# Altium PCB Quad-Stage-Prototype_V1.0.PcbDoc (part 1 of 3)
Units mm, origin at the board's own origin, x right, y up, seen from the top; angles counter-clockwise.
Board outline 267.25 x 88.5 mm, 2 copper layers (Top Layer, Bottom Layer), stack 1.548 mm thick; 272 components, 212 nets, 959 pads, 903 vias.
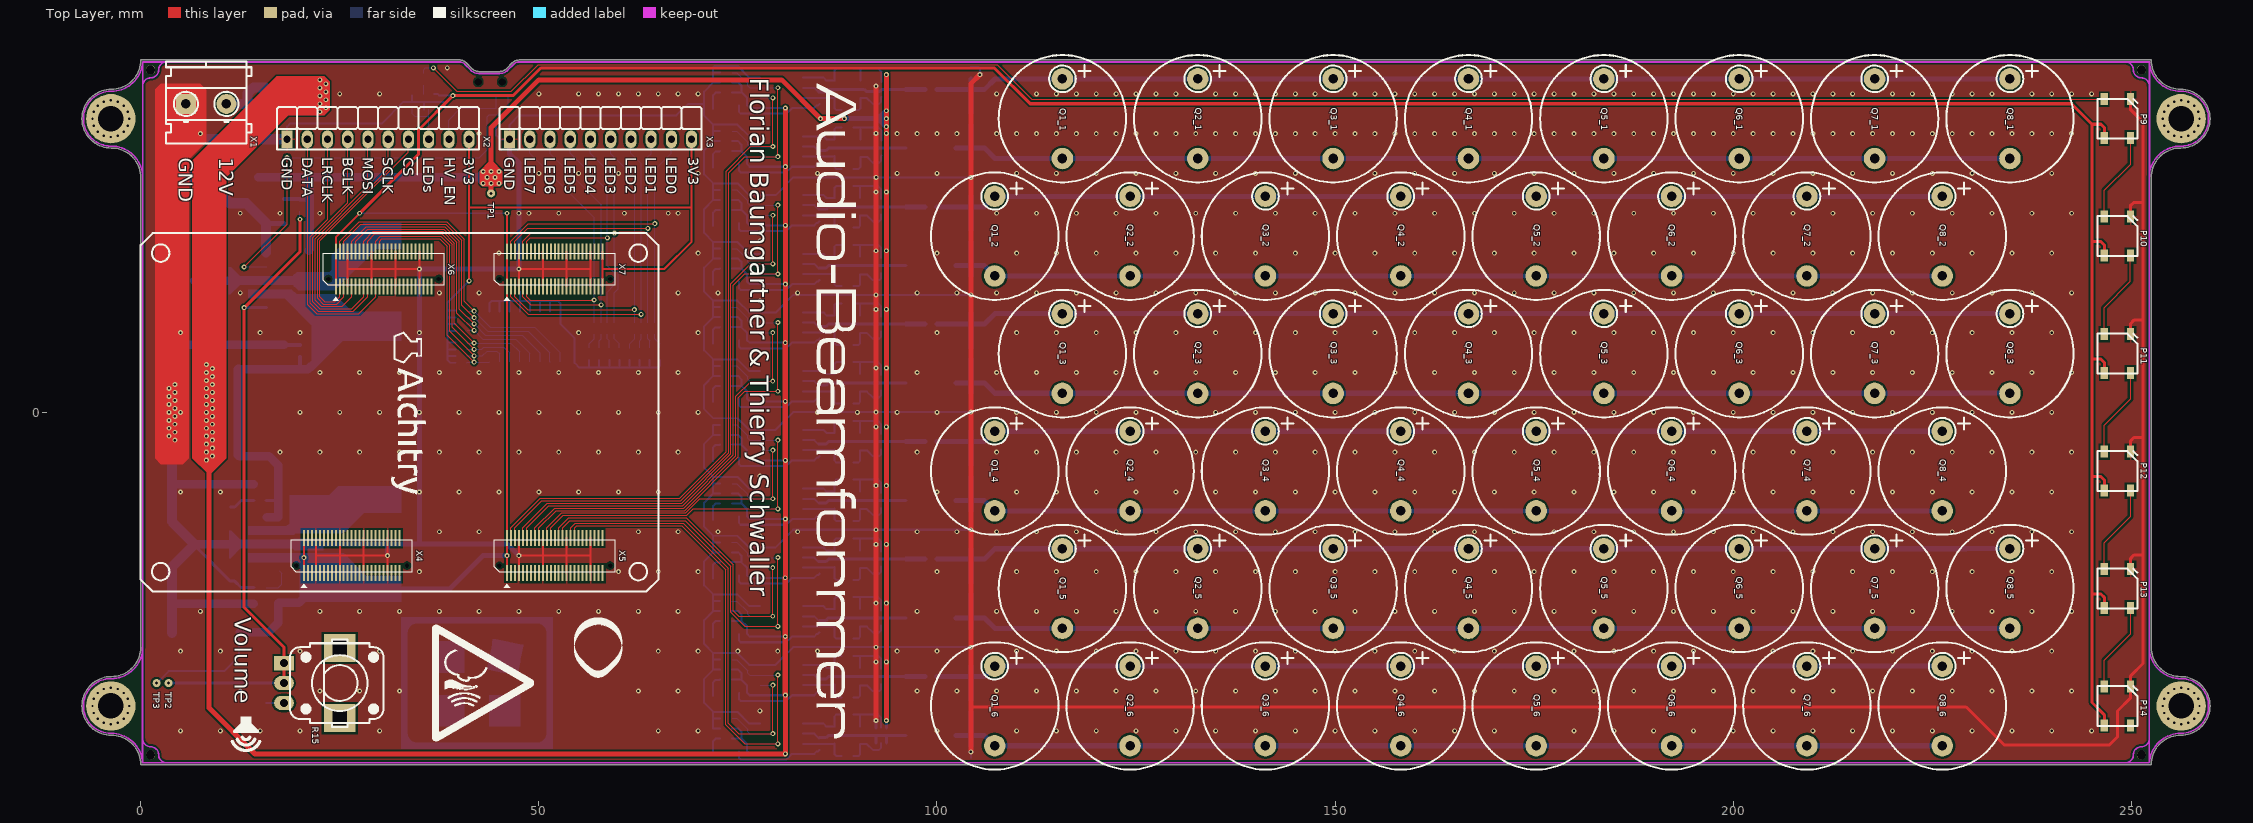
[diagram p0: Top Layer view]
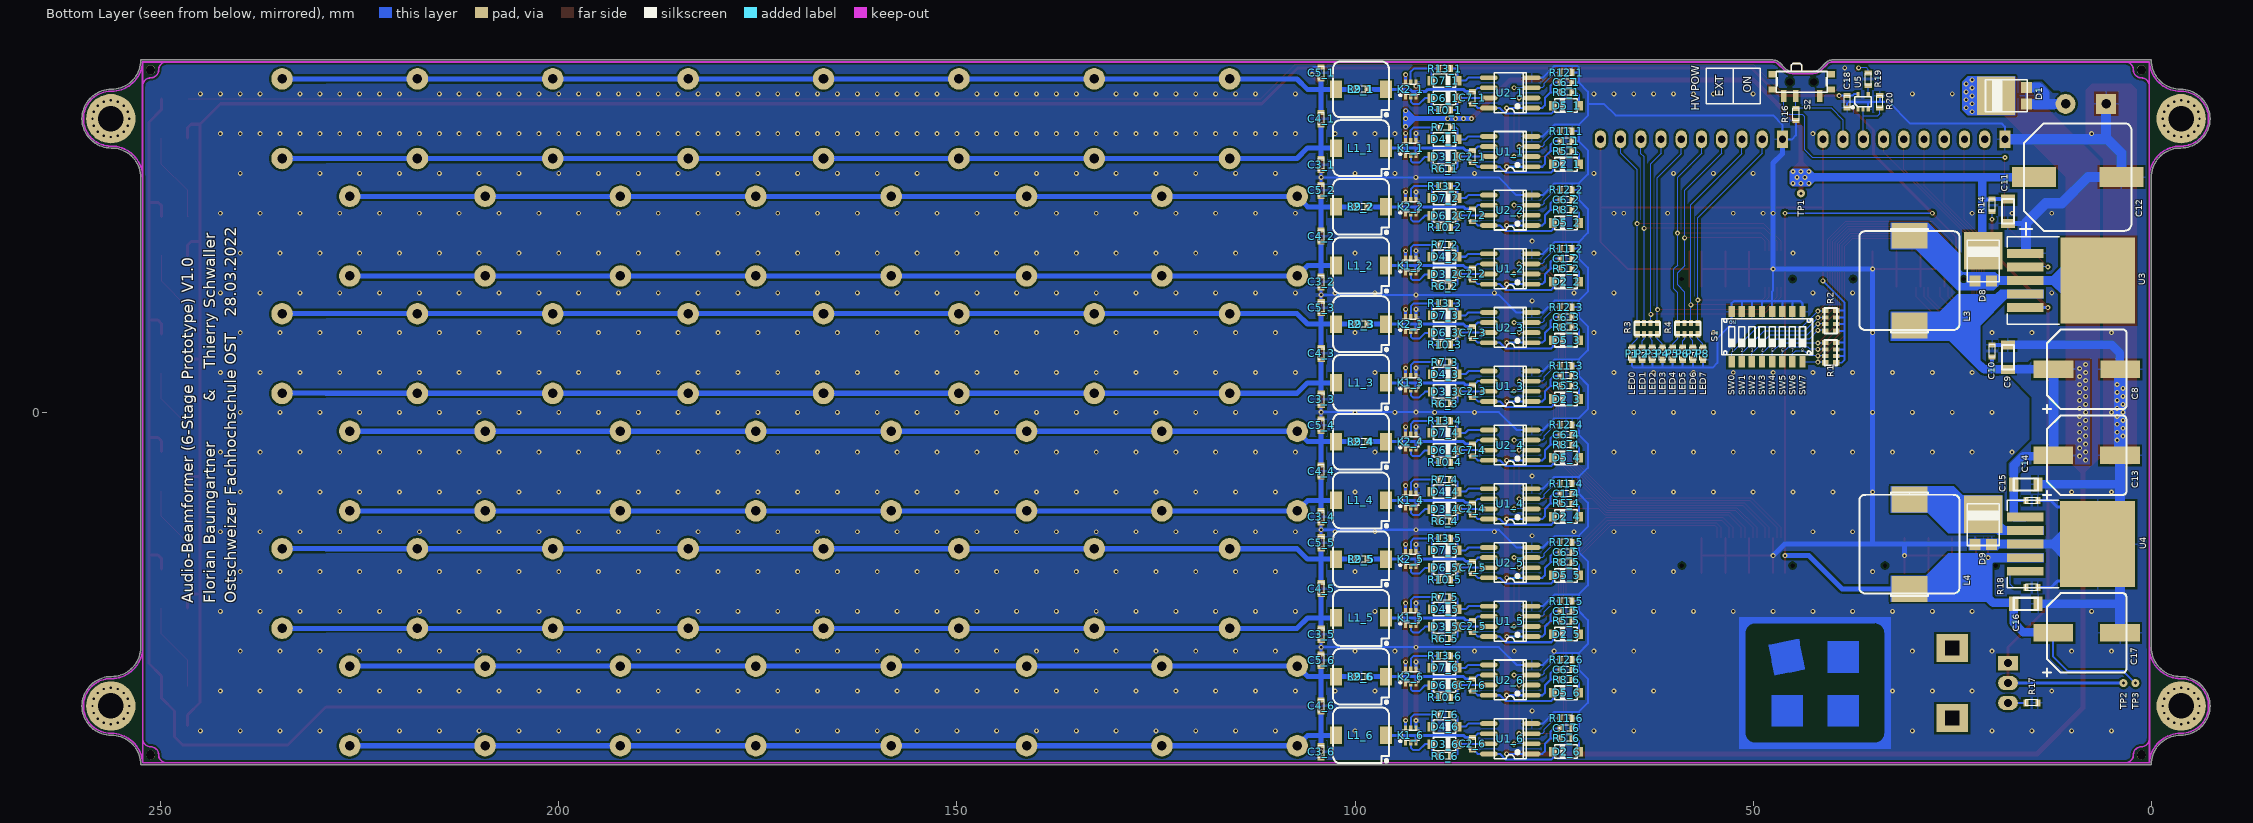
[diagram p1: Bottom Layer view, seen from below]

## Layer stack, top to bottom
Top Solder: solder mask 0.0102, Solder Resist, Dk 3.5
Top Layer: signal copper 0.0356
Dielectric1: dielectric 1.4766, FR-4, Dk 4.8
Bottom Layer: signal copper 0.0356
Bottom Solder: solder mask 0.0102, Solder Resist, Dk 3.5

## Board outline
-3.688,-40.563 cw(c-3.688,-36.875) -7.375,-36.875 cw(c-3.688,-36.875) -3.688,-33.187 ccw(c-3.687,-29.5) 0,-29.5 0,29.5 ccw(c-3.688,29.5) -3.688,33.187 cw(c-3.688,36.875) -7.375,36.875 cw(c-3.688,36.875) -3.688,40.562 ccw(c-3.687,44.25) 0,44.25 40.025,44.25 cw(c40.025,43.043) 40.879,43.896 41.621,43.154 ccw(c42.475,44.007) 42.475,42.8 45.075,42.8 ccw(c45.075,44.007) 45.929,43.154 46.671,43.896 cw(c47.525,43.043) 47.525,44.25 252.5,44.25 ccw(c256.187,44.25) 256.188,40.562 cw(c256.188,36.875) 259.875,36.875 cw(c256.188,36.875) 256.188,33.187 ccw(c256.187,29.5) 252.5,29.5 252.5,-29.5 ccw(c256.187,-29.5) 256.188,-33.187 cw(c256.188,-36.875) 259.875,-36.875 cw(c256.188,-36.875) 256.188,-40.562 ccw(c256.187,-44.25) 252.5,-44.25 0,-44.25 ccw(c-3.687,-44.25)

## Design rules (kind name [scope] priority, off if disabled: settings)
Clearance Ploygon [InPoly] p1: gap=0.254 ignorepadtopadclearanceinfootprint=FALSE
Clearance [All] p2: gap=0.152 ignorepadtopadclearanceinfootprint=FALSE
ComponentClearance ComponentClearance_Connectors [HasFootprint('SMD Inductor 7x7x4.5 NP')] p1: gap=0 collisioncheckmode=3 verticalgap=0 showdistances=FALSE
ComponentClearance ComponentClearance_Mechanical [(Identifier = 'M3 x 0.5mm Thread 6mm LONG SOCKET HEAD CAP SCREW') OR (Identifier = 'Hex Spacer FF M3 L10mm')] p2: gap=0 collisioncheckmode=3 verticalgap=0 showdistances=FALSE
ComponentClearance [All] p3: gap=0.2 collisioncheckmode=3 verticalgap=0.2 showdistances=TRUE
DiffPairsRouting [All] p1: maxlimit=0.254 minlimit=0.152 mostfreqgap=0.152 toplayer_minwidth=0.152 toplayer_maxwidth=0.381 toplayer_prefwidth=0.152 bottomlayer_minwidth=0.152 bottomlayer_maxwidth=0.381 bottomlayer_prefwidth=0.152 maxuncoupledlength=12.7
FabricationTestPointUsage TestPointUsage [All] p1: valid=0 allowmultiple=FALSE
FabricationTestpoint Testpoint [All] p1: side=3 testpointundercomponent=TRUE minsize=1.016 maxsize=2.54 preferedsize=1.524 minholesize=0 maxholesize=1.016 preferedholesize=0.813 testpointgrid=0.025 allowsidetop=TRUE allowsidebottom=TRUE usegrid=TRUE gridtolerance=0
HoleSize [All] p1: absolutevalues=TRUE maxlimit=25.4 minlimit=0.025 maxpercent=80.000 minpercent=20.000
PolygonConnect [All] p1: thpad.connectstyle=Relief thpad.reliefconductorwidth=0.254 thpad.reliefentries=4 thpad.polygonreliefangle="90 Angle" thpad.airgapwidth=0.254 smdpad.connectstyle=Relief smdpad.reliefconductorwidth=0.254 smdpad.reliefentries=4 smdpad.polygonreliefangle="90 Angle" smdpad.airgapwidth=0.254 via.connectstyle=Direct via.reliefconductorwidth=0.254 via.reliefentries=4 via.polygonreliefangle="90 Angle" via.airgapwidth=0.254
RoomDefinition Row-Driver1 [InComponentClass('Row-Driver1')] p1: confinementstyle=ConfineIn formatcopy=TRUE lockcomponents=FALSE outline 70.503,28.37 243.75,28.37 243.75,45.37 70.503,45.37
RoomDefinition Row-Driver4 [InComponentClass('Row-Driver4')] p2: confinementstyle=ConfineIn formatcopy=TRUE lockcomponents=FALSE outline 70.5,-15.875 243.75,-15.875 243.75,1.125 70.5,1.125
RoomDefinition Row-Driver5 [InComponentClass('Row-Driver5')] p3: confinementstyle=ConfineIn formatcopy=TRUE lockcomponents=FALSE outline 70.496,-30.63 243.75,-30.63 243.75,-13.63 70.496,-13.63
RoomDefinition Row-Driver6 [InComponentClass('Row-Driver6')] p4: confinementstyle=ConfineIn formatcopy=TRUE lockcomponents=FALSE outline 70.5,-45.375 243.75,-45.375 243.75,-28.375 70.5,-28.375
RoomDefinition Row-Driver3 [InComponentClass('Row-Driver3')] p5: confinementstyle=ConfineIn formatcopy=TRUE lockcomponents=FALSE outline 70.496,-1.105 243.75,-1.105 243.75,15.895 70.496,15.895
RoomDefinition Row-Driver2 [InComponentClass('Row-Driver2')] p6: confinementstyle=ConfineIn formatcopy=TRUE lockcomponents=FALSE outline 70.5,13.625 243.75,13.625 243.75,30.625 70.5,30.625
RoutingVias [All] p1: holewidth=0.711 width=1.27 viastyle="Through Hole" minholewidth=0.711 minwidth=1.27 maxholewidth=0.711 maxwidth=1.27
SolderMaskExpansion [All] p1: expansion=0.102 istentingtop=FALSE
Width [All] p1: maxlimit=500 minlimit=0.152 preferedwidth=0.254
25 further rules are at their usual default settings.

## Classes and differential pairs
component class Row-Driver6: C1_6 C2_6 C3_6 C4_6 C5_6 C6_6 C7_6 D2_6 D3_6 D4_6 D5_6 D6_6 D7_6 K1_6 K2_6 L1_6 L2_6 Q1_6 Q2_6 Q3_6 Q4_6 Q5_6 Q6_6 Q7_6 Q8_6 R5_6 R6_6 R7_6 R8_6 R9_6 R10_6 R11_6 R12_6 R13_6 U1_6 U2_6
component class Row-Driver5: C1_5 C2_5 C3_5 C4_5 C5_5 C6_5 C7_5 D2_5 D3_5 D4_5 D5_5 D6_5 D7_5 K1_5 K2_5 L1_5 L2_5 Q1_5 Q2_5 Q3_5 Q4_5 Q5_5 Q6_5 Q7_5 Q8_5 R5_5 R6_5 R7_5 R8_5 R9_5 R10_5 R11_5 R12_5 R13_5 U1_5 U2_5
channel class Quad-Stage-Prototype_Driver_V1.0: Row-Driver1 Row-Driver2 Row-Driver3 Row-Driver4 Row-Driver5 Row-Driver6
net class SW[7..0]: SW0 SW1 SW2 SW3 SW4 SW5 SW6 SW7
net class LI[6..1]: LI1 LI2 LI3 LI4 LI5 LI6
net class HI[6..1]: HI1 HI2 HI3 HI4 HI5 HI6
net class FPGA_LED[7..0]: FPGA_LED0 FPGA_LED1 FPGA_LED2 FPGA_LED3 FPGA_LED4 FPGA_LED5 FPGA_LED6 FPGA_LED7
component class Row-Driver4: C1_4 C2_4 C3_4 C4_4 C5_4 C6_4 C7_4 D2_4 D3_4 D4_4 D5_4 D6_4 D7_4 K1_4 K2_4 L1_4 L2_4 Q1_4 Q2_4 Q3_4 Q4_4 Q5_4 Q6_4 Q7_4 Q8_4 R5_4 R6_4 R7_4 R8_4 R9_4 R10_4 R11_4 R12_4 R13_4 U1_4 U2_4
component class Row-Driver3: C1_3 C2_3 C3_3 C4_3 C5_3 C6_3 C7_3 D2_3 D3_3 D4_3 D5_3 D6_3 D7_3 K1_3 K2_3 L1_3 L2_3 Q1_3 Q2_3 Q3_3 Q4_3 Q5_3 Q6_3 Q7_3 Q8_3 R5_3 R6_3 R7_3 R8_3 R9_3 R10_3 R11_3 R12_3 R13_3 U1_3 U2_3
component class Row-Driver2: C1_2 C2_2 C3_2 C4_2 C5_2 C6_2 C7_2 D2_2 D3_2 D4_2 D5_2 D6_2 D7_2 K1_2 K2_2 L1_2 L2_2 Q1_2 Q2_2 Q3_2 Q4_2 Q5_2 Q6_2 Q7_2 Q8_2 R5_2 R6_2 R7_2 R8_2 R9_2 R10_2 R11_2 R12_2 R13_2 U1_2 U2_2
component class Row-Driver1: C1_1 C2_1 C3_1 C4_1 C5_1 C6_1 C7_1 D2_1 D3_1 D4_1 D5_1 D6_1 D7_1 K1_1 K2_1 L1_1 L2_1 Q1_1 Q2_1 Q3_1 Q4_1 Q5_1 Q6_1 Q7_1 Q8_1 R5_1 R6_1 R7_1 R8_1 R9_1 R10_1 R11_1 R12_1 R13_1 U1_1 U2_1
component class Quad-Stage-Prototype_V1.0: D1 P1 P2 P3 P4 P5 P6 P7 P8 R1 R2 R3 R4 S1 X1 X2 X3
component class "Power Supply": C8 C9 C10 C11 C12 C13 C14 C15 C16 C17 D8 D9 L3 L4 R14 R15 R16 R17 R18 S2 TP1 TP2 TP3 U3 U4
component class LEDs: C18 P9 P10 P11 P12 P13 P14 R19 R20 U5
component class FPGA: X4 X5 X6 X7

## Components (designator, comment, footprint, x,y, rotation, side; value= is the part's Value field where it differs from the comment)
C1_1 "1µF" "SMD Keramikkondensator 0603" 73.503,34.046 r0 bottom (schematic designator C1)
C1_2 "1µF" "SMD Keramikkondensator 0603" 73.5,19.301 r0 bottom (schematic designator C1)
C1_3 "1µF" "SMD Keramikkondensator 0603" 73.496,4.571 r0 bottom (schematic designator C1)
C1_4 "1µF" "SMD Keramikkondensator 0603" 73.5,-10.199 r0 bottom (schematic designator C1)
C1_5 "1µF" "SMD Keramikkondensator 0603" 73.496,-24.954 r0 bottom (schematic designator C1)
C1_6 "1µF" "SMD Keramikkondensator 0603" 73.5,-39.699 r0 bottom (schematic designator C1)
C2_1 "100nF" "SMD Keramikkondensator 0603" 85.253,32.121 r270 bottom (schematic designator C2)
C2_2 "100nF" "SMD Keramikkondensator 0603" 85.25,17.376 r270 bottom (schematic designator C2)
C2_3 "100nF" "SMD Keramikkondensator 0603" 85.246,2.646 r270 bottom (schematic designator C2)
C2_4 "100nF" "SMD Keramikkondensator 0603" 85.25,-12.124 r270 bottom (schematic designator C2)
C2_5 "100nF" "SMD Keramikkondensator 0603" 85.246,-26.879 r270 bottom (schematic designator C2)
C2_6 "100nF" "SMD Keramikkondensator 0603" 85.25,-41.624 r270 bottom (schematic designator C2)
C3_1 "NP" "SMD Keramikkondensator 0603" 104.253,31.12 r270 bottom (schematic designator C3)
C3_2 "NP" "SMD Keramikkondensator 0603" 104.25,16.375 r270 bottom (schematic designator C3)
C3_3 "NP" "SMD Keramikkondensator 0603" 104.246,1.645 r270 bottom (schematic designator C3)
C3_4 "NP" "SMD Keramikkondensator 0603" 104.25,-13.125 r270 bottom (schematic designator C3)
C3_5 "NP" "SMD Keramikkondensator 0603" 104.246,-27.88 r270 bottom (schematic designator C3)
C3_6 "NP" "SMD Keramikkondensator 0603" 104.25,-42.625 r270 bottom (schematic designator C3)
C4_1 "NP" "SMD Keramikkondensator 0603" 104.253,36.87 r270 bottom (schematic designator C4)
C4_2 "NP" "SMD Keramikkondensator 0603" 104.25,22.125 r270 bottom (schematic designator C4)
C4_3 "NP" "SMD Keramikkondensator 0603" 104.246,7.395 r270 bottom (schematic designator C4)
C4_4 "NP" "SMD Keramikkondensator 0603" 104.25,-7.375 r270 bottom (schematic designator C4)
C4_5 "NP" "SMD Keramikkondensator 0603" 104.246,-22.13 r270 bottom (schematic designator C4)
C4_6 "NP" "SMD Keramikkondensator 0603" 104.25,-36.875 r270 bottom (schematic designator C4)
C5_1 "NP" "SMD Keramikkondensator 0603" 104.253,42.62 r90 bottom (schematic designator C5)
C5_2 "NP" "SMD Keramikkondensator 0603" 104.25,27.875 r90 bottom (schematic designator C5)
C5_3 "NP" "SMD Keramikkondensator 0603" 104.246,13.145 r90 bottom (schematic designator C5)
C5_4 "NP" "SMD Keramikkondensator 0603" 104.25,-1.625 r90 bottom (schematic designator C5)
C5_5 "NP" "SMD Keramikkondensator 0603" 104.246,-16.38 r90 bottom (schematic designator C5)
C5_6 "NP" "SMD Keramikkondensator 0603" 104.25,-31.125 r90 bottom (schematic designator C5)
C6_1 "1µF" "SMD Keramikkondensator 0603" 73.503,41.424 r0 bottom (schematic designator C6)
C6_2 "1µF" "SMD Keramikkondensator 0603" 73.5,26.679 r0 bottom (schematic designator C6)
C6_3 "1µF" "SMD Keramikkondensator 0603" 73.496,11.949 r0 bottom (schematic designator C6)
C6_4 "1µF" "SMD Keramikkondensator 0603" 73.5,-2.821 r0 bottom (schematic designator C6)
C6_5 "1µF" "SMD Keramikkondensator 0603" 73.496,-17.576 r0 bottom (schematic designator C6)
C6_6 "1µF" "SMD Keramikkondensator 0603" 73.5,-32.321 r0 bottom (schematic designator C6)
C7_1 "100nF" "SMD Keramikkondensator 0603" 85.253,39.495 r270 bottom (schematic designator C7)
C7_2 "100nF" "SMD Keramikkondensator 0603" 85.25,24.75 r270 bottom (schematic designator C7)
C7_3 "100nF" "SMD Keramikkondensator 0603" 85.246,10.02 r270 bottom (schematic designator C7)
C7_4 "100nF" "SMD Keramikkondensator 0603" 85.25,-4.75 r270 bottom (schematic designator C7)
C7_5 "100nF" "SMD Keramikkondensator 0603" 85.246,-19.505 r270 bottom (schematic designator C7)
C7_6 "100nF" "SMD Keramikkondensator 0603" 85.25,-34.25 r270 bottom (schematic designator C7)
C8 "470µF" "SMD ELKO 10.0X10.0" 8.1,5.4 r180 bottom
C9 "10µF" "SMD Keramikkondensator 1206" 18,6.925 r270 bottom
C10 "1µF" "SMD Keramikkondensator 0603" 20,7.7 r270 bottom
C11 "1µF" "SMD Keramikkondensator 1206" 18,25.25 r90 bottom
C12 "220µF" "SMD ELKO 12.5X13.5" 9.25,29.55 r180 bottom
C13 "470µF" "SMD ELKO 10.0X10.0" 8.125,-5.4 r180 bottom
C14 "10µF" "SMD Keramikkondensator 1206" 15.75,-9.05 r0 bottom
C15 "1µF" "SMD Keramikkondensator 0603" 15,-11.1 r0 bottom
C16 "10µF" "SMD Keramikkondensator 1206" 15.75,-24.05 r0 bottom
C17 "470µF" "SMD ELKO 10.0X10.0" 8.125,-27.7 r180 bottom
C18 "1µF" "SMD Keramikkondensator 0603" 38.2,39 r90 bottom
D1 "SP1060L" "SMD DIODE TO-277" 19.5,39.75 r0 bottom
D2_1 "1N4148" "SMD Diode SOD-123" 73.503,31.146 r180 bottom (schematic designator D2)
D2_2 "1N4148" "SMD Diode SOD-123" 73.5,16.401 r180 bottom (schematic designator D2)
D2_3 "1N4148" "SMD Diode SOD-123" 73.496,1.671 r180 bottom (schematic designator D2)
D2_4 "1N4148" "SMD Diode SOD-123" 73.5,-13.099 r180 bottom (schematic designator D2)
D2_5 "1N4148" "SMD Diode SOD-123" 73.496,-27.854 r180 bottom (schematic designator D2)
D2_6 "1N4148" "SMD Diode SOD-123" 73.5,-42.599 r180 bottom (schematic designator D2)
D3_1 "1N4148" "SMD Diode SOD-123" 88.753,32.083 r0 bottom (schematic designator D3)
D3_2 "1N4148" "SMD Diode SOD-123" 88.75,17.338 r0 bottom (schematic designator D3)
D3_3 "1N4148" "SMD Diode SOD-123" 88.746,2.608 r0 bottom (schematic designator D3)
D3_4 "1N4148" "SMD Diode SOD-123" 88.75,-12.162 r0 bottom (schematic designator D3)
D3_5 "1N4148" "SMD Diode SOD-123" 88.746,-26.917 r0 bottom (schematic designator D3)
D3_6 "1N4148" "SMD Diode SOD-123" 88.75,-41.662 r0 bottom (schematic designator D3)
D4_1 "1N4148" "SMD Diode SOD-123" 88.753,34.283 r0 bottom (schematic designator D4)
D4_2 "1N4148" "SMD Diode SOD-123" 88.75,19.537 r0 bottom (schematic designator D4)
D4_3 "1N4148" "SMD Diode SOD-123" 88.746,4.808 r0 bottom (schematic designator D4)
D4_4 "1N4148" "SMD Diode SOD-123" 88.75,-9.962 r0 bottom (schematic designator D4)
D4_5 "1N4148" "SMD Diode SOD-123" 88.746,-24.717 r0 bottom (schematic designator D4)
D4_6 "1N4148" "SMD Diode SOD-123" 88.75,-39.462 r0 bottom (schematic designator D4)
D5_1 "1N4148" "SMD Diode SOD-123" 73.503,38.524 r180 bottom (schematic designator D5)
D5_2 "1N4148" "SMD Diode SOD-123" 73.5,23.779 r180 bottom (schematic designator D5)
D5_3 "1N4148" "SMD Diode SOD-123" 73.496,9.049 r180 bottom (schematic designator D5)
D5_4 "1N4148" "SMD Diode SOD-123" 73.5,-5.721 r180 bottom (schematic designator D5)
D5_5 "1N4148" "SMD Diode SOD-123" 73.496,-20.476 r180 bottom (schematic designator D5)
D5_6 "1N4148" "SMD Diode SOD-123" 73.5,-35.221 r180 bottom (schematic designator D5)
D6_1 "1N4148" "SMD Diode SOD-123" 88.753,39.458 r0 bottom (schematic designator D6)
D6_2 "1N4148" "SMD Diode SOD-123" 88.75,24.712 r0 bottom (schematic designator D6)
D6_3 "1N4148" "SMD Diode SOD-123" 88.746,9.982 r0 bottom (schematic designator D6)
D6_4 "1N4148" "SMD Diode SOD-123" 88.75,-4.788 r0 bottom (schematic designator D6)
D6_5 "1N4148" "SMD Diode SOD-123" 88.746,-19.543 r0 bottom (schematic designator D6)
D6_6 "1N4148" "SMD Diode SOD-123" 88.75,-34.288 r0 bottom (schematic designator D6)
D7_1 "1N4148" "SMD Diode SOD-123" 88.753,41.658 r0 bottom (schematic designator D7)
D7_2 "1N4148" "SMD Diode SOD-123" 88.75,26.912 r0 bottom (schematic designator D7)
D7_3 "1N4148" "SMD Diode SOD-123" 88.746,12.183 r0 bottom (schematic designator D7)
D7_4 "1N4148" "SMD Diode SOD-123" 88.75,-2.588 r0 bottom (schematic designator D7)
D7_5 "1N4148" "SMD Diode SOD-123" 88.746,-17.343 r0 bottom (schematic designator D7)
D7_6 "1N4148" "SMD Diode SOD-123" 88.75,-32.087 r0 bottom (schematic designator D7)
D8 "SP1060L" "SMD DIODE TO-277" 21.1,20.3 r90 bottom
D9 "SP1060L" "SMD DIODE TO-277" 21.1,-12.8 r90 bottom
K1_1 "2N7002DW-7-F" "SMD IC SOT-363 (SC-70-6)" 93.003,33.183 r270 bottom (schematic designator K1)
K1_2 "2N7002DW-7-F" "SMD IC SOT-363 (SC-70-6)" 93,18.438 r270 bottom (schematic designator K1)
K1_3 "2N7002DW-7-F" "SMD IC SOT-363 (SC-70-6)" 92.996,3.708 r270 bottom (schematic designator K1)
K1_4 "2N7002DW-7-F" "SMD IC SOT-363 (SC-70-6)" 93,-11.062 r270 bottom (schematic designator K1)
K1_5 "2N7002DW-7-F" "SMD IC SOT-363 (SC-70-6)" 92.996,-25.817 r270 bottom (schematic designator K1)
K1_6 "2N7002DW-7-F" "SMD IC SOT-363 (SC-70-6)" 93,-40.562 r270 bottom (schematic designator K1)
K2_1 "2N7002DW-7-F" "SMD IC SOT-363 (SC-70-6)" 93.003,40.557 r270 bottom (schematic designator K2)
K2_2 "2N7002DW-7-F" "SMD IC SOT-363 (SC-70-6)" 93,25.812 r270 bottom (schematic designator K2)
K2_3 "2N7002DW-7-F" "SMD IC SOT-363 (SC-70-6)" 92.996,11.082 r270 bottom (schematic designator K2)
K2_4 "2N7002DW-7-F" "SMD IC SOT-363 (SC-70-6)" 93,-3.688 r270 bottom (schematic designator K2)
K2_5 "2N7002DW-7-F" "SMD IC SOT-363 (SC-70-6)" 92.996,-18.443 r270 bottom (schematic designator K2)
K2_6 "2N7002DW-7-F" "SMD IC SOT-363 (SC-70-6)" 93,-33.188 r270 bottom (schematic designator K2)
L1_1 "680µH 270mA" "SMD Inductor 7x7x4.5" 99.253,33.183 r0 bottom (schematic designator L1)
L1_2 "680µH 270mA" "SMD Inductor 7x7x4.5" 99.25,18.437 r0 bottom (schematic designator L1)
L1_3 "680µH 270mA" "SMD Inductor 7x7x4.5" 99.246,3.708 r0 bottom (schematic designator L1)
L1_4 "680µH 270mA" "SMD Inductor 7x7x4.5" 99.25,-11.063 r0 bottom (schematic designator L1)
L1_5 "680µH 270mA" "SMD Inductor 7x7x4.5" 99.246,-25.817 r0 bottom (schematic designator L1)
L1_6 "680µH 270mA" "SMD Inductor 7x7x4.5" 99.25,-40.562 r0 bottom (schematic designator L1)
L2_1 "NP" "SMD Inductor 7x7x4.5 NP" 99.253,40.558 r0 bottom (schematic designator L2)
L2_2 "NP" "SMD Inductor 7x7x4.5 NP" 99.25,25.812 r0 bottom (schematic designator L2)
L2_3 "NP" "SMD Inductor 7x7x4.5 NP" 99.246,11.083 r0 bottom (schematic designator L2)
L2_4 "NP" "SMD Inductor 7x7x4.5 NP" 99.25,-3.688 r0 bottom (schematic designator L2)
L2_5 "NP" "SMD Inductor 7x7x4.5 NP" 99.246,-18.443 r0 bottom (schematic designator L2)
L2_6 "NP" "SMD Inductor 7x7x4.5 NP" 99.25,-33.188 r0 bottom (schematic designator L2)
L3 "47µH 5.0A" "SMD Inductor 13.8x12.6x6.5" 30.375,16.55 r90 bottom
L4 "47µH 5.0A" "SMD Inductor 13.8x12.6x6.5" 30.375,-16.55 r90 bottom
P1 "Green" "SMD LED 0603" 65.195,7.35 r270 bottom
P2 "Green" "SMD LED 0603" 63.925,7.35 r270 bottom
P3 "Green" "SMD LED 0603" 62.655,7.35 r270 bottom
P4 "Green" "SMD LED 0603" 61.385,7.35 r270 bottom
P5 "Green" "SMD LED 0603" 60.115,7.35 r270 bottom
P6 "Green" "SMD LED 0603" 58.845,7.35 r270 bottom
P7 "Green" "SMD LED 0603" 57.575,7.35 r270 bottom
P8 "Green" "SMD LED 0603" 56.305,7.35 r270 bottom
P9 "WS2812B" "SMD LED WS2812B-5050" 248.25,36.875 r90 top
P10 "WS2812B" "SMD LED WS2812B-5050" 248.25,22.125 r90 top
P11 "WS2812B" "SMD LED WS2812B-5050" 248.25,7.375 r90 top
P12 "WS2812B" "SMD LED WS2812B-5050" 248.25,-7.375 r90 top
P13 "WS2812B" "SMD LED WS2812B-5050" 248.25,-22.125 r90 top